# Altium PCB JTAG2SW.PcbDoc
Units mil, origin at the board's own origin, x right, y up, seen from the top; angles counter-clockwise.
Board outline 410 x 1010 mil, 2 copper layers (Top Layer, Bottom Layer), stack 65.5 mil thick; 3 components, 8 nets, 28 pads, 12 vias.
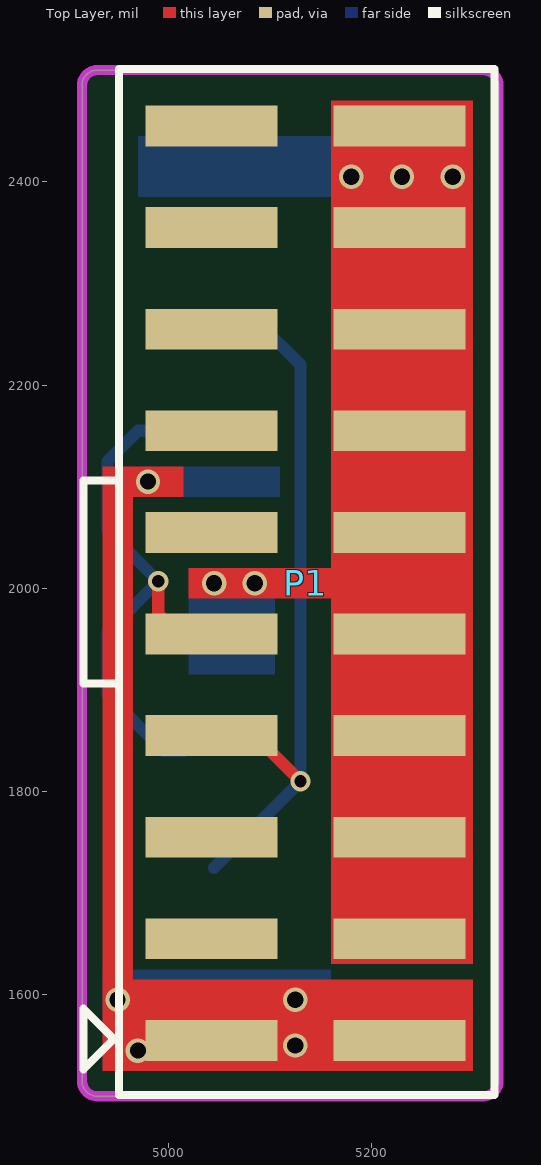
[diagram p0: Top Layer view]
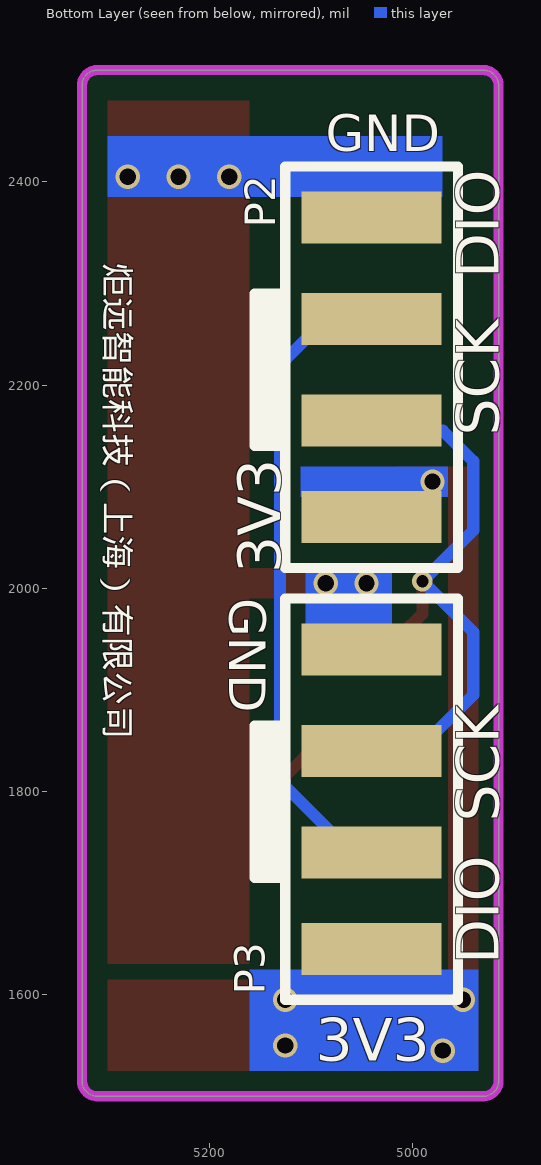
[diagram p1: Bottom Layer view, seen from below]

## Layer stack, top to bottom
Top Solder: solder mask 0.4, Solder Resist, Dk 3.5
Top Layer: signal copper 2.75
Dielectric 1: core 60, FR-4, Dk 4.2
Bottom Layer: signal copper 2.75
Bottom Solder: solder mask 0.4, Solder Resist, Dk 3.5

## Board outline
4915,1515 ccw(c4930,1515) 4930,1500 5310,1500 ccw(c5310,1515) 5325,1515 5325,2495 ccw(c5310,2495) 5310,2510 4930,2510 ccw(c4930,2495) 4915,2495

## Design rules (kind name [scope] priority, off if disabled: settings)
Clearance [All] p1: gap=6
PolygonConnect [All] p1: connectstyle=Relief reliefconductorwidth=10 reliefentries=4 polygonreliefangle="90 Angle" airgapwidth=10
RoutingVias [All] p1: holewidth=28 width=50 viastyle="Through Hole" minholewidth=28 minwidth=50 maxholewidth=28 maxwidth=50
SolderMaskExpansion [All] p1: expansion=4
Width [All] p1: maxlimit=20 minlimit=10 preferedwidth=12
30 further rules are at their usual default settings.

## Classes and differential pairs
component class JTAG2SW: P1

## Components (designator, comment, footprint, x,y, rotation, side; value= is the part's Value field where it differs from the comment)
P1 "JTAG" HDR10X2_SMT 5135,2005 r90 top
P2 "Header 4" HDR4X1_TP 5040,2365 r270 bottom
P3 "Header 4" HDR4X1_TP 5040,1940 r270 bottom

## Footprints (in the part's own frame and the unit in brackets; to place one, negate y for a bottom-side part, rotate by r counter-clockwise, add the part's x,y. Pads: shape width x height; smd on the part's side, far side on the other; paste and mask are expansions set on the pad)
HDR4X1_TP [mm] "自定义贴片2.54-4"
  rect 1.3x3.5 smd: 1(0,0) 2(2.54,0) 3(5.08,0) 4(7.493,0)
  silkscreen extent -1.27,-2.92 8.76,2.16
HDR10X2_SMT [mm]
  rect 1.02x3.3 smd: 1(-11.43,2.35) 2(-11.43,-2.35) 3(-8.89,2.35) 4(-8.89,-2.35) 5(-6.35,2.35) 6(-6.35,-2.35) 7(-3.81,2.35) 8(-3.81,-2.35) 9(-1.27,2.35) 10(-1.27,-2.35) 11(1.27,2.35) 12(1.27,-2.35) 13(3.81,2.35) 14(3.81,-2.35) 15(6.35,2.35) 16(6.35,-2.35) 17(8.89,2.35) 18(8.89,-2.35) 19(11.43,2.35) 20(11.43,-2.35)
  silkscreen extent -12.79,-4.73 12.86,5.56

## Part data
P1: library part "Header 10X2", "Header, 10-Pin"
P2 P3: "接插件"

## Via types
v1: diameter 24, hole 16, Top Layer to Bottom Layer, 10 vias
v2: diameter 20, hole 12, Top Layer to Bottom Layer, 2 vias

## Nets (pads, with @x,y where several pads share a name; then routed paths per layer and width w, separated by ;. In a path a pad name is that pad's centre, name@x,y a point inside that pad or via, vN(x,y) a via of type N, cw(c..) or ccw(c..) an arc to the next point about the centre after c; other vN are vias at no path point)
3V3: P1.1 P1.2 P2.4 P3.4
  other v1: 4970,1545 5125,1550 4950,1595 5125,1595 4980,2105
GND: P1.4 P1.6 P1.8 P1.10 P1.12 P1.14 P1.16 P1.18 P1.20 P2.1 P3.1
  other v1: 5045,2005 5085,2005 5180,2405 5230,2405 5280,2405
JRST: P1.3
JTCK: P1.9 P2.3 P3.2 | length 507.4
  Top Layer w12: v2@4990,2000 4990,1975 5010,1955 P1.9
  Bottom Layer w12: P2.3@4980,2155 4970,2155 4940,2125 4940,2057 v2(4990,2007) 4940,1957 4940,1895 4995,1840 P3.2@5015,1840
JTDI: P1.5
JTDO: P1.13
JTMS: P1.7 P2.2 P3.3 | length 692.9
  Top Layer w12: P1.7 5085,1855 v2(5130,1810)
  Bottom Layer w12: P3.3@5045,1725 v2(5130,1810) 5130,2220 P2.2@5090,2260
RESET: P1.15
pads on no net: P1.11 P1.17 P1.19

## Keep-outs
Keep-Out Layer:
  the board outline again, w10

## Other copper
Top Layer:
  rectangle net 3V3: 4965,2090 5015,2120
  rectangle net 3V3: 4935,1580 4965,2120
  rectangle net GND: 5020,1990 5160,2020
  rectangle net 3V3: 4935,1525 5300,1615
  rectangle net GND: 5160,1630 5300,2480
Bottom Layer:
  rectangle net 3V3: 4965,2090 5110,2120
  rectangle net 3V3: 4935,1525 5160,1625
  rectangle net GND: 5020,1915 5105,2020
  rectangle net GND: 4970,2385 5300,2445

## Silkscreen, mask and mechanical layers (free items; w line width, h text height)
Bottom Overlay:
  text "GND" at 5085,2430 h36
  text "炬远智能科技（上海）有限公司" at 5310,2320 h42 r90
  text "DIO" at 4915,2305 h42 r270
  text "SCK" at 4915,2150 h42 r270
  text "3V3" at 5130,2015 h42 r270
  text "GND" at 5180,1990 h36 r90
  text "SCK" at 4915,1770 h42 r270
  text "DIO" at 4915,1630 h42 r270
  text "3V3" at 5095,1535 h42